# Altium PCB RPlan_LB2.PcbDoc (part 4 of 4)
Units mm, origin at the board's own origin, x right, y up, seen from the top; angles counter-clockwise.
Board outline 38.2 x 43.28 mm, 2 copper layers (Top Layer, Bottom Layer); 36 components, 100 nets, 269 pads, 31 vias.
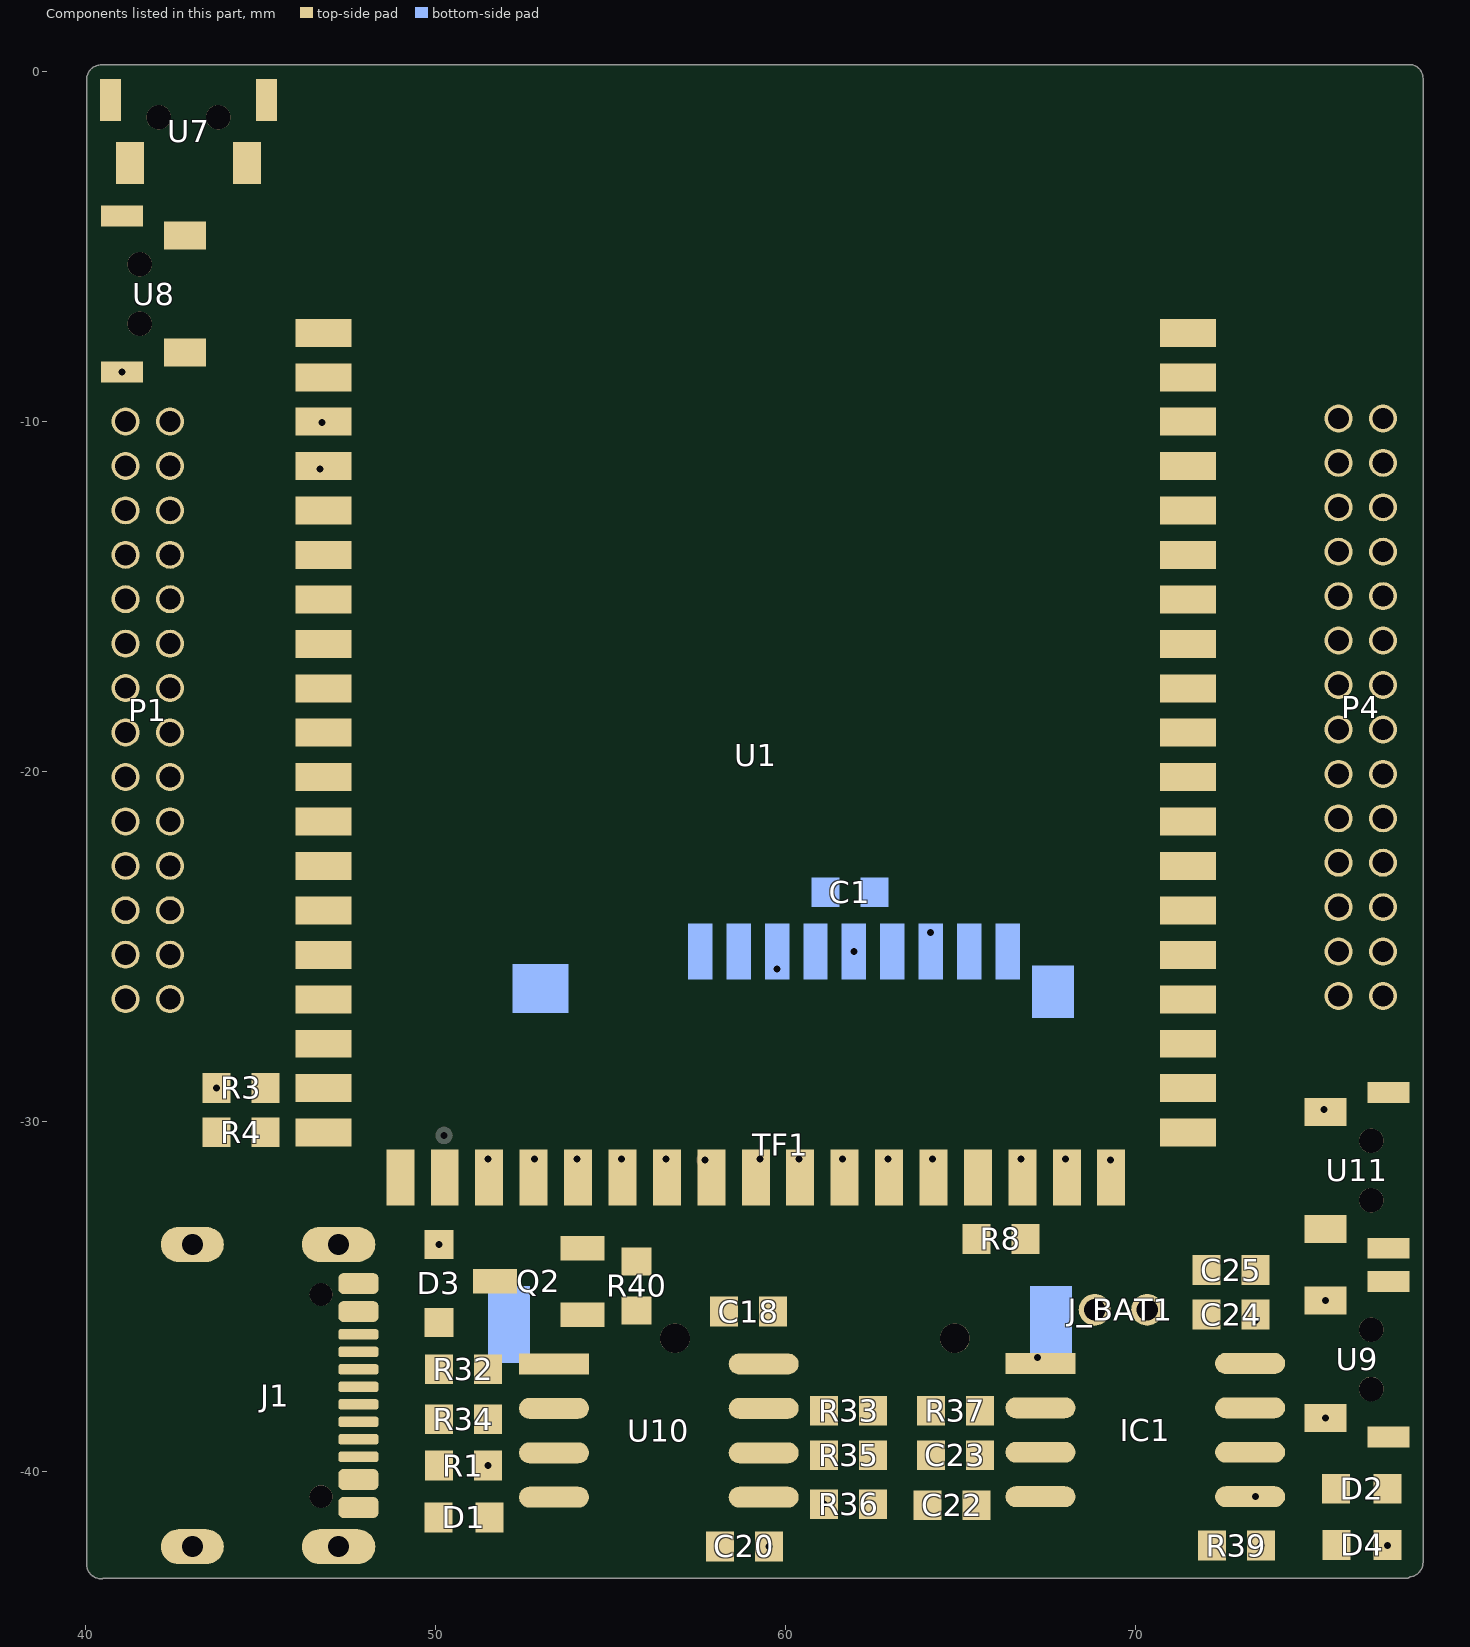
[diagram p4: the components of this part, seen from the top]

## Via types
v1: diameter 0.5, hole 0.3, Top Layer to Bottom Layer, 28 vias
v2: diameter 0.4, hole 0.2, Top Layer to Bottom Layer, 3 vias

## Nets (pads, with @x,y where several pads share a name; then routed paths per layer and width w, separated by ;. In a path a pad name is that pad's centre, name@x,y a point inside that pad or via, vN(x,y) a via of type N, cw(c..) or ccw(c..) an arc to the next point about the centre after c; other vN are vias at no path point) (continued)
copper on no net: (continued)
  Bottom Layer w0.025: 60.612,-15.207 60.84,-15.207 ; 60.612,-15.182 60.84,-15.182 ; 60.612,-15.156 60.84,-15.156 ; 60.612,-15.131 60.84,-15.131 ; 60.612,-15.105 61.196,-15.105 ; 60.815,-21.049 61.196,-21.049 ; 60.815,-21.024 61.145,-21.024 ; 60.815,-20.998 61.145,-20.998 ; 60.815,-20.973 61.145,-20.973 ; 60.815,-20.947 61.145,-20.947 ; 60.815,-20.922 61.145,-20.922 ; 60.815,-20.897 61.145,-20.897 ; 60.815,-20.871 61.145,-20.871 ; 60.815,-20.846 61.145,-20.846 ; 60.815,-20.82 61.196,-20.82 ; 60.815,-20.795 61.196,-20.795 ; 60.815,-20.77 61.196,-20.77 ; 60.815,-19.068 61.196,-19.068 ; 60.815,-19.042 61.145,-19.042 ; 60.815,-19.017 61.145,-19.017 ; 60.815,-18.992 61.145,-18.992 ; 60.815,-18.966 61.196,-18.966 ; 60.815,-18.941 61.196,-18.941 ; 60.815,-18.915 61.196,-18.915 ; 60.815,-18.89 61.196,-18.89 ; 60.815,-18.865 61.196,-18.865 ; 60.815,-18.839 61.196,-18.839 ; 60.815,-18.814 61.196,-18.814 ; 60.815,-18.788 61.196,-18.788 ; 60.815,-18.382 62.186,-18.382 ; 60.815,-18.357 62.186,-18.357 ; 60.815,-18.331 62.186,-18.331 ; 60.815,-18.306 62.186,-18.306 ; 60.815,-18.28 62.186,-18.28 ; 60.815,-18.255 62.186,-18.255 ; 60.815,-18.23 62.186,-18.23 ; 60.815,-18.204 62.186,-18.204 ; 60.815,-18.179 62.186,-18.179 ; 60.815,-18.153 62.186,-18.153 ; 60.815,-18.128 62.948,-18.128 ; 60.815,-18.103 62.948,-18.103 ; 60.815,-15.766 61.145,-15.766 ; 60.815,-15.74 61.145,-15.74 ; 60.815,-15.715 61.145,-15.715 ; 60.815,-15.69 61.145,-15.69 ; 60.815,-15.664 61.145,-15.664 ; 60.815,-15.639 61.145,-15.639 ; 60.815,-15.613 61.145,-15.613 ; 60.815,-15.588 61.145,-15.588 ; 60.815,-15.563 61.145,-15.563 ; 60.815,-15.537 61.145,-15.537 ; 60.815,-15.512 61.145,-15.512 ; 60.815,-15.486 61.196,-15.486 ; 60.815,-15.08 61.196,-15.08 ; 60.815,-15.055 61.196,-15.055 ; 60.815,-15.029 61.145,-15.029 ; 60.815,-15.004 61.145,-15.004 ; 60.815,-14.978 61.145,-14.978 ; 60.815,-14.953 61.196,-14.953 ; 60.815,-14.928 61.196,-14.928 ; 60.815,-14.902 61.196,-14.902 ; 60.815,-14.877 61.196,-14.877 ; 60.815,-14.851 61.196,-14.851 ; 60.815,-14.826 61.196,-14.826 ; 60.815,-14.801 61.196,-14.801 ; 60.815,-14.775 61.831,-14.775 ; 60.815,-14.75 61.831,-14.75 ; 60.815,-14.724 61.831,-14.724 ; 60.815,-14.699 61.831,-14.699 ; 60.815,-14.674 61.831,-14.674 ; 60.815,-14.648 61.831,-14.648 ; 60.815,-14.623 61.831,-14.623 ; 60.815,-14.597 61.831,-14.597 ; 60.815,-14.572 61.831,-14.572 ; 60.815,-14.547 61.831,-14.547 ; 60.815,-14.521 61.831,-14.521 ; 60.815,-14.496 61.831,-14.496 ; 60.815,-14.47 61.831,-14.47 ; 60.815,-14.445 61.831,-14.445 ; 60.815,-12.413 61.145,-12.413 ; 60.815,-12.388 61.145,-12.388 ; 60.815,-12.362 61.145,-12.362 ; 60.815,-12.337 61.145,-12.337 ; 60.815,-12.311 61.145,-12.311 ; 60.815,-12.286 61.196,-12.286 ; 60.815,-12.261 61.196,-12.261 ; 60.815,-12.235 61.196,-12.235 ; 60.815,-12.21 61.145,-12.21 ; 60.815,-12.184 61.145,-12.184 ; 60.815,-12.159 61.145,-12.159 ; 60.815,-12.134 61.145,-12.134 ; 60.815,-12.108 61.145,-12.108 ; 60.815,-12.083 61.145,-12.083 ; 60.815,-12.057 61.145,-12.057 ; 60.815,-12.032 61.145,-12.032 ; 60.815,-12.007 61.145,-12.007 ; 60.815,-11.981 61.196,-11.981 ; 60.815,-11.956 61.196,-11.956 ; 60.815,-11.93 61.196,-11.93 ; 60.815,-11.905 61.145,-11.905 ; 60.815,-11.88 61.145,-11.88 ; 60.815,-11.854 61.145,-11.854 ; 60.815,-11.829 61.196,-11.829 ; 60.815,-10.076 61.196,-10.076 ; 60.815,-10.051 61.196,-10.051 ; 60.815,-10.025 61.196,-10.025 ; 60.815,-10 61.145,-10 ; 60.815,-9.975 61.145,-9.975 ; 60.815,-9.949 61.145,-9.949 ; 60.815,-9.924 61.145,-9.924 ; 60.815,-9.898 61.145,-9.898 ; 60.815,-9.873 61.145,-9.873 ; 60.815,-9.848 61.145,-9.848 ; 60.815,-9.822 61.196,-9.822 ; 60.815,-9.797 61.196,-9.797 ; 61.145,-22.09 62.186,-22.09 ; 61.145,-22.065 62.186,-22.065 ; 61.145,-22.04 62.186,-22.04 ; 61.145,-22.014 62.186,-22.014 ; 61.145,-21.989 62.186,-21.989 ; 61.145,-21.963 62.186,-21.963 ; 61.145,-21.938 62.186,-21.938 ; 61.145,-21.913 62.186,-21.913 ; 61.145,-21.887 62.186,-21.887 ; 61.145,-21.862 62.186,-21.862 ; 61.145,-21.836 62.186,-21.836 ; 61.145,-21.811 62.186,-21.811 ; 61.145,-21.786 62.186,-21.786 ; 61.145,-21.76 62.186,-21.76 ; 61.145,-21.735 62.186,-21.735 ; 61.145,-21.709 62.186,-21.709 ; 61.145,-21.684 62.186,-21.684 ; 61.145,-21.659 62.186,-21.659 ; 61.145,-21.633 62.186,-21.633 ; 61.145,-21.608 62.186,-21.608 ; 61.145,-21.582 62.186,-21.582 ; 61.145,-21.557 62.186,-21.557 ; 61.145,-21.532 62.186,-21.532 ; 61.145,-21.506 62.186,-21.506 ; 61.145,-21.481 62.186,-21.481 ; 61.145,-21.455 62.186,-21.455 ; 61.145,-21.43 62.491,-21.43 ; 61.145,-18.077 61.526,-18.077 ; 61.145,-18.052 61.501,-18.052 ; 61.145,-18.026 61.501,-18.026 ; 61.145,-18.001 61.501,-18.001 ; 61.145,-17.976 61.501,-17.976 ; 61.145,-17.95 61.501,-17.95 ; 61.145,-17.925 61.501,-17.925 ; 61.145,-17.899 61.501,-17.899 ; 61.145,-17.874 61.501,-17.874 ; 61.145,-17.849 61.501,-17.849 ; 61.145,-17.823 61.501,-17.823 ; 61.145,-17.798 61.501,-17.798 ; 61.145,-17.391 61.831,-17.391 ; 61.145,-17.366 61.831,-17.366 ; 61.145,-17.341 61.831,-17.341 ; 61.145,-17.315 61.831,-17.315 ; 61.145,-17.29 61.831,-17.29 ; 61.145,-17.264 61.831,-17.264 ; 61.145,-17.239 61.831,-17.239 ; 61.145,-17.214 61.831,-17.214 ; 61.145,-17.188 61.831,-17.188 ; 61.145,-17.163 61.831,-17.163 ; 61.145,-17.137 61.831,-17.137 ; 61.145,-17.112 61.831,-17.112 ; 61.145,-16.401 62.821,-16.401 ; 61.145,-16.375 62.821,-16.375 ; 61.145,-16.35 62.821,-16.35 ; 61.145,-16.325 62.821,-16.325 ; 61.145,-16.299 62.821,-16.299 ; 61.145,-16.274 62.821,-16.274 ; 61.145,-16.248 62.821,-16.248 ; 61.145,-16.223 62.821,-16.223 ; 61.145,-16.198 62.821,-16.198 ; 61.145,-16.172 62.821,-16.172 ; 61.145,-16.147 62.821,-16.147 ; 61.145,-16.121 62.821,-16.121 ; 61.145,-14.42 61.501,-14.42 ; 61.145,-14.394 61.501,-14.394 ; 61.145,-14.369 61.501,-14.369 ; 61.145,-14.343 61.501,-14.343 ; 61.145,-14.318 61.501,-14.318 ; 61.145,-14.293 61.501,-14.293 ; 61.145,-14.267 61.501,-14.267 ; 61.145,-14.242 61.501,-14.242 ; 61.145,-14.216 61.501,-14.216 ; 61.145,-14.191 61.501,-14.191 ; 61.145,-14.166 61.501,-14.166 ; 61.145,-14.14 61.501,-14.14 ; 61.145,-13.734 61.501,-13.734 ; 61.145,-13.708 61.501,-13.708 ; 61.145,-13.683 61.501,-13.683 ; 61.145,-13.658 61.501,-13.658 ; 61.145,-13.632 61.501,-13.632 ; 61.145,-13.607 61.501,-13.607 ; 61.145,-13.581 61.501,-13.581 ; 61.145,-13.556 61.501,-13.556 ; 61.145,-13.531 61.501,-13.531 ; 61.145,-13.505 61.501,-13.505 ; 61.145,-10.432 62.186,-10.432 ; 61.145,-10.406 62.186,-10.406 ; 61.145,-10.381 62.186,-10.381 ; 61.145,-10.356 62.186,-10.356 ; 61.145,-10.33 62.186,-10.33 ; 61.145,-10.305 62.186,-10.305 ; 61.145,-10.279 62.186,-10.279 ; 61.145,-10.254 62.186,-10.254 ; 61.145,-10.229 62.186,-10.229 ; 61.145,-10.203 62.186,-10.203 ; 61.145,-10.178 62.186,-10.178 ; 61.145,-10.152 62.186,-10.152 ; 61.45,-20.744 62.517,-20.744 ; 61.45,-20.719 62.517,-20.719 ; 61.45,-20.693 62.517,-20.693 ; 61.45,-20.668 62.517,-20.668 ; 61.45,-20.643 62.517,-20.643 ; 61.45,-20.617 62.517,-20.617 ; 61.45,-20.592 62.517,-20.592 ; 61.45,-20.566 62.517,-20.566 ; 61.45,-20.541 62.517,-20.541 ; 61.45,-20.516 62.517,-20.516 ; 61.45,-20.49 62.517,-20.49 ; 61.45,-20.465 62.517,-20.465 ; 61.45,-19.068 61.831,-19.068 ; 61.45,-19.042 61.831,-19.042 ; 61.45,-19.017 61.831,-19.017 ; 61.45,-18.992 61.831,-18.992 ; 61.45,-18.966 61.831,-18.966 ; 61.45,-18.941 61.831,-18.941 ; 61.45,-18.915 61.831,-18.915 ; 61.45,-18.89 61.831,-18.89 ; 61.45,-18.865 61.831,-18.865 ; 61.45,-18.839 61.831,-18.839 ; 61.45,-18.814 61.831,-18.814 ; 61.45,-18.788 61.831,-18.788 ; 61.45,-16.096 63.177,-16.096 ; 61.45,-16.071 63.177,-16.071 ; 61.45,-16.045 63.177,-16.045 ; 61.45,-16.02 63.177,-16.02 ; 61.45,-15.994 63.177,-15.994 ; 61.45,-15.969 63.177,-15.969 ; 61.45,-15.944 63.177,-15.944 ; 61.45,-15.918 63.177,-15.918 ; 61.45,-15.893 63.177,-15.893 ; 61.45,-15.867 63.177,-15.867 ; 61.45,-15.842 63.177,-15.842 ; 61.45,-15.817 63.177,-15.817 ; 61.45,-15.791 63.177,-15.791 ; 61.45,-15.766 61.831,-15.766 ; 61.45,-15.74 61.831,-15.74 ; 61.45,-15.715 61.831,-15.715 ; 61.45,-15.69 61.831,-15.69 ; 61.45,-15.664 61.831,-15.664 ; 61.45,-15.639 61.831,-15.639 ; 61.45,-15.613 61.831,-15.613 ; 61.45,-15.588 61.831,-15.588 ; 61.45,-15.563 61.831,-15.563 ; 61.45,-15.537 61.831,-15.537 ; 61.45,-15.512 61.831,-15.512 ; 61.45,-15.486 61.831,-15.486 ; 61.45,-15.461 64.853,-15.461 ; 61.45,-15.436 64.853,-15.436 ; 61.45,-15.105 63.177,-15.105 ; 61.45,-15.08 62.186,-15.08 ; 61.45,-15.055 62.186,-15.055 ; 61.45,-15.029 62.186,-15.029 ; 61.45,-15.004 62.186,-15.004 ; 61.45,-14.978 62.186,-14.978 ; 61.45,-14.953 62.186,-14.953 ; 61.45,-14.928 62.186,-14.928 ; 61.45,-14.902 62.186,-14.902 ; 61.45,-14.877 62.186,-14.877 ; 61.45,-14.851 62.186,-14.851 ; 61.45,-14.826 62.186,-14.826 ; 61.45,-14.801 62.186,-14.801 ; 61.45,-14.089 61.831,-14.089 ; 61.45,-14.064 61.831,-14.064 ; 61.45,-14.039 61.831,-14.039 ; 61.45,-14.013 61.831,-14.013 ; 61.45,-13.988 61.831,-13.988 ; 61.45,-13.962 61.831,-13.962 ; 61.45,-13.937 61.831,-13.937 ; 61.45,-13.912 61.831,-13.912 ; 61.45,-13.886 61.831,-13.886 ; 61.45,-13.861 61.831,-13.861 ; 61.45,-13.835 61.831,-13.835 ; 61.45,-13.81 61.831,-13.81 ; 61.45,-13.429 61.831,-13.429 ; 61.45,-13.404 61.831,-13.404 ; 61.45,-13.378 61.831,-13.378 ; 61.45,-13.353 61.831,-13.353 ; 61.45,-13.327 61.831,-13.327 ; 61.45,-13.302 61.831,-13.302 ; 61.45,-13.277 61.831,-13.277 ; 61.45,-13.251 61.831,-13.251 ; 61.45,-13.226 61.831,-13.226 ; 61.45,-13.2 61.831,-13.2 ; 61.45,-13.175 61.831,-13.175 ; 61.45,-13.15 61.831,-13.15 ; 61.45,-13.124 61.831,-13.124 ; 61.45,-13.099 61.831,-13.099 ; 61.45,-13.073 61.831,-13.073 ; 61.45,-13.048 61.831,-13.048 ; 61.45,-13.023 61.831,-13.023 ; 61.45,-12.997 61.831,-12.997 ; 61.45,-12.972 61.831,-12.972 ; 61.45,-12.946 61.831,-12.946 ; 61.45,-12.921 61.831,-12.921 ; 61.45,-12.896 61.831,-12.896 ; 61.45,-12.87 61.831,-12.87 ; 61.45,-12.845 61.831,-12.845 ; 61.45,-12.819 61.831,-12.819 ; 61.45,-12.108 61.831,-12.108 ; 61.45,-12.083 61.831,-12.083 ; 61.45,-12.057 61.831,-12.057 ; 61.45,-12.032 61.831,-12.032 ; 61.45,-12.007 61.831,-12.007 ; 61.45,-11.981 61.831,-11.981 ; 61.45,-11.956 61.831,-11.956 ; 61.45,-11.93 61.831,-11.93 ; 61.45,-11.905 61.831,-11.905 ; 61.45,-11.88 61.831,-11.88 ; 61.45,-11.854 61.831,-11.854 ; 61.45,-11.829 61.831,-11.829 ; 61.45,-11.803 62.517,-11.803 ; 61.45,-11.778 62.517,-11.778 ; 61.45,-10.076 62.517,-10.076 ; 61.45,-10.051 62.517,-10.051 ; 61.45,-10.025 62.517,-10.025 ; 61.45,-10 62.517,-10 ; 61.45,-9.975 62.517,-9.975 ; 61.45,-9.949 62.517,-9.949 ; 61.45,-9.924 62.517,-9.924 ; 61.45,-9.898 62.517,-9.898 ; 61.45,-9.873 62.517,-9.873 ; 61.45,-9.848 62.517,-9.848 ; 61.45,-9.822 62.517,-9.822 ; 61.45,-9.797 62.517,-9.797 ; 61.501,-12.134 61.831,-12.134 ; 61.805,-17.087 62.821,-17.087 ; 61.805,-17.061 62.821,-17.061 ; 61.805,-17.036 62.821,-17.036 ; 61.805,-17.01 62.821,-17.01 ; 61.805,-16.985 62.821,-16.985 ; 61.805,-16.96 62.821,-16.96 ; 61.805,-16.934 62.821,-16.934 ; 61.805,-16.909 62.821,-16.909 ; 61.805,-16.883 62.821,-16.883 ; 61.805,-16.858 62.821,-16.858 ; 61.805,-16.833 62.821,-16.833 ; 61.805,-16.807 62.821,-16.807 ; 61.805,-16.782 65.158,-16.782 ; 61.805,-15.41 63.177,-15.41 ; 61.805,-15.385 63.177,-15.385 ; 61.805,-15.359 63.177,-15.359 ; 61.805,-15.334 63.177,-15.334 ; 61.805,-15.309 63.177,-15.309 ; 61.805,-15.283 63.177,-15.283 ; 61.805,-15.258 63.177,-15.258 ; 61.805,-15.232 63.177,-15.232 ; 61.805,-15.207 63.177,-15.207 ; 61.805,-15.182 63.177,-15.182 ; 61.805,-15.156 63.177,-15.156 ; 61.805,-15.131 63.177,-15.131 ; 61.805,-13.734 62.186,-13.734 ; 61.805,-13.708 62.186,-13.708 ; 61.805,-13.683 62.186,-13.683 ; 61.805,-13.658 62.186,-13.658 ; 61.805,-13.632 62.186,-13.632 ; 61.805,-13.607 62.186,-13.607 ; 61.805,-13.581 62.186,-13.581 ; 61.805,-13.556 62.186,-13.556 ; 61.805,-13.531 62.186,-13.531 ; 61.805,-13.505 62.186,-13.505 ; 61.805,-11.753 62.186,-11.753 ; 61.805,-11.727 62.186,-11.727 ; 61.805,-11.702 62.186,-11.702 ; 61.805,-11.676 62.186,-11.676 ; 61.805,-11.651 62.186,-11.651 ; 61.805,-11.626 62.186,-11.626 ; 61.805,-11.6 62.186,-11.6 ; 61.805,-11.575 62.186,-11.575 ; 61.805,-11.549 62.186,-11.549 ; 61.805,-11.524 62.186,-11.524 ; 61.805,-11.499 62.186,-11.499 ; 61.805,-11.473 62.186,-11.473 ; 61.805,-11.448 62.186,-11.448 ; 61.805,-11.422 62.186,-11.422 ; 61.805,-11.397 62.186,-11.397 ; 61.805,-11.372 62.186,-11.372 ; 61.805,-11.346 62.186,-11.346 ; 61.805,-11.321 62.186,-11.321 ; 61.805,-11.295 62.186,-11.295 ; 61.805,-11.27 62.186,-11.27 ; 61.805,-11.245 62.186,-11.245 ; 61.805,-11.219 62.186,-11.219 ; 61.805,-11.194 62.186,-11.194 ; 61.805,-11.168 62.186,-11.168 ; 61.805,-11.143 62.186,-11.143 ; 62.136,-21.405 62.517,-21.405 ; 62.136,-21.379 62.517,-21.379 ; 62.136,-21.354 62.517,-21.354 ; 62.136,-21.328 62.517,-21.328 ; 62.136,-21.303 62.517,-21.303 ; 62.136,-21.278 62.517,-21.278 ; 62.136,-21.252 62.517,-21.252 ; 62.136,-21.227 62.517,-21.227 ; 62.136,-21.201 62.517,-21.201 ; 62.136,-21.176 62.517,-21.176 ; 62.136,-21.151 62.517,-21.151 ; 62.136,-21.125 62.517,-21.125 ; 62.136,-21.1 62.491,-21.1 ; 62.136,-21.074 62.491,-21.074 ; 62.136,-20.414 62.517,-20.414 ; 62.136,-20.389 62.517,-20.389 ; 62.136,-20.363 62.517,-20.363 ; 62.136,-20.338 62.517,-20.338 ; 62.136,-20.312 62.517,-20.312 ; 62.136,-20.287 62.517,-20.287 ; 62.136,-20.262 62.517,-20.262 ; 62.136,-20.236 62.517,-20.236 ; 62.136,-20.211 62.517,-20.211 ; 62.136,-20.185 62.517,-20.185 ; 62.136,-20.16 62.517,-20.16 ; 62.136,-20.135 62.517,-20.135 ; 62.136,-20.109 62.491,-20.109 ; 62.136,-20.084 62.491,-20.084 ; 62.136,-19.754 62.517,-19.754 ; 62.136,-19.728 62.517,-19.728 ; 62.136,-19.703 62.517,-19.703 ; 62.136,-19.677 62.517,-19.677 ; 62.136,-19.652 62.517,-19.652 ; 62.136,-19.627 62.517,-19.627 ; 62.136,-19.601 62.517,-19.601 ; 62.136,-19.576 62.517,-19.576 ; 62.136,-19.55 62.517,-19.55 ; 62.136,-19.525 62.517,-19.525 ; 62.136,-19.5 62.517,-19.5 ; 62.136,-19.474 62.517,-19.474 ; 62.136,-19.068 62.821,-19.068 ; 62.136,-19.042 62.821,-19.042 ; 62.136,-19.017 62.821,-19.017 ; 62.136,-18.992 62.821,-18.992 ; 62.136,-18.966 62.821,-18.966 ; 62.136,-18.941 62.821,-18.941 ; 62.136,-18.915 62.821,-18.915 ; 62.136,-18.89 62.821,-18.89 ; 62.136,-18.865 62.821,-18.865 ; 62.136,-18.839 62.821,-18.839 ; 62.136,-18.814 62.821,-18.814 ; 62.136,-18.788 62.821,-18.788 ; 62.136,-18.763 65.158,-18.763 ; 62.136,-18.077 63.177,-18.077 ; 62.136,-18.052 63.177,-18.052 ; 62.136,-18.026 63.177,-18.026 ; 62.136,-18.001 63.177,-18.001 ; 62.136,-17.976 63.177,-17.976 ; 62.136,-17.95 63.177,-17.95 ; 62.136,-17.925 63.177,-17.925 ; 62.136,-17.899 63.177,-17.899 ; 62.136,-17.874 63.177,-17.874 ; 62.136,-17.849 63.177,-17.849 ; 62.136,-17.823 63.177,-17.823 ; 62.136,-17.798 63.177,-17.798 ; 62.136,-17.772 63.177,-17.772 ; 62.136,-16.756 62.517,-16.756 ; 62.136,-16.731 62.517,-16.731 ; 62.136,-16.706 62.517,-16.706 ; 62.136,-16.68 62.517,-16.68 ; 62.136,-16.655 62.517,-16.655 ; 62.136,-16.629 62.517,-16.629 ; 62.136,-16.604 62.517,-16.604 ; 62.136,-16.579 62.517,-16.579 ; 62.136,-16.553 62.517,-16.553 ; 62.136,-16.528 62.517,-16.528 ; 62.136,-16.502 62.517,-16.502 ; 62.136,-16.477 62.517,-16.477 ; 62.136,-14.115 63.507,-14.115 ; 62.136,-14.089 63.177,-14.089 ; 62.136,-14.064 63.177,-14.064 ; 62.136,-14.039 63.177,-14.039 ; 62.136,-14.013 63.177,-14.013 ; 62.136,-13.988 63.177,-13.988 ; 62.136,-13.962 63.177,-13.962 ; 62.136,-13.937 63.177,-13.937 ; 62.136,-13.912 63.177,-13.912 ; 62.136,-13.886 63.177,-13.886 ; 62.136,-13.861 63.177,-13.861 ; 62.136,-13.835 63.177,-13.835 ; 62.136,-13.81 63.177,-13.81 ; 62.136,-13.429 63.177,-13.429 ; 62.136,-13.404 63.177,-13.404 ; 62.136,-13.378 63.177,-13.378 ; 62.136,-13.353 63.177,-13.353 ; 62.136,-13.327 63.177,-13.327 ; 62.136,-13.302 63.177,-13.302 ; 62.136,-13.277 63.177,-13.277 ; 62.136,-13.251 63.177,-13.251 ; 62.136,-13.226 63.177,-13.226 ; 62.136,-13.2 63.177,-13.2 ; 62.136,-13.175 63.177,-13.175 ; 62.136,-13.15 63.177,-13.15 ; 62.136,-13.124 63.177,-13.124 ; 62.136,-12.794 62.517,-12.794 ; 62.136,-12.769 62.517,-12.769 ; 62.136,-12.743 62.517,-12.743 ; 62.136,-12.718 62.517,-12.718 ; 62.136,-12.692 62.517,-12.692 ; 62.136,-12.667 62.517,-12.667 ; 62.136,-12.642 62.517,-12.642 ; 62.136,-12.616 62.517,-12.616 ; 62.136,-12.591 62.517,-12.591 ; 62.136,-12.565 62.517,-12.565 ; 62.136,-12.54 62.517,-12.54 ; 62.136,-12.515 62.517,-12.515 ; 62.136,-12.489 62.517,-12.489 ; 62.136,-12.464 62.517,-12.464 ; 62.136,-12.438 62.491,-12.438 ; 62.136,-12.134 62.491,-12.134 ; 62.136,-12.108 62.517,-12.108 ; 62.136,-12.083 62.517,-12.083 ; 62.136,-12.057 62.517,-12.057 ; 62.136,-12.032 62.517,-12.032 ; 62.136,-12.007 62.517,-12.007 ; 62.136,-11.981 62.517,-11.981 ; 62.136,-11.956 62.517,-11.956 ; 62.136,-11.93 62.517,-11.93 ; 62.136,-11.905 62.517,-11.905 ; 62.136,-11.88 62.517,-11.88 ; 62.136,-11.854 62.517,-11.854 ; 62.136,-11.829 62.517,-11.829 ; 62.136,-11.118 62.517,-11.118 ; 62.136,-11.092 62.517,-11.092 ; 62.136,-11.067 62.517,-11.067 ; 62.136,-11.041 62.517,-11.041 ; 62.136,-11.016 62.517,-11.016 ; 62.136,-10.991 62.517,-10.991 ; 62.136,-10.965 62.517,-10.965 ; 62.136,-10.94 62.517,-10.94 ; 62.136,-10.914 62.517,-10.914 ; 62.136,-10.889 62.517,-10.889 ; 62.136,-10.864 62.517,-10.864 ; 62.136,-10.838 62.517,-10.838 ; 62.136,-10.813 62.517,-10.813 ; 62.136,-10.787 62.517,-10.787 ; 62.491,-19.423 64.498,-19.423 ; 62.491,-19.398 64.498,-19.398 ; 62.491,-19.373 64.498,-19.373 ; 62.491,-19.347 64.498,-19.347 ; 62.491,-19.322 64.498,-19.322 ; 62.491,-19.296 64.498,-19.296 ; 62.491,-19.271 64.498,-19.271 ; 62.491,-19.246 64.498,-19.246 ; 62.491,-19.22 64.498,-19.22 ; 62.491,-19.195 64.498,-19.195 ; 62.491,-19.169 64.498,-19.169 ; 62.491,-19.144 64.498,-19.144 ; 62.491,-14.775 63.507,-14.775 ; 62.491,-14.75 63.507,-14.75 ; 62.491,-14.724 63.507,-14.724 ; 62.491,-14.699 63.507,-14.699 ; 62.491,-14.674 63.507,-14.674 ; 62.491,-14.648 63.507,-14.648 ; 62.491,-14.623 63.507,-14.623 ; 62.491,-14.597 63.507,-14.597 ; 62.491,-14.572 63.507,-14.572 ; 62.491,-14.547 63.507,-14.547 ; 62.491,-14.521 63.507,-14.521 ; 62.491,-14.496 63.507,-14.496 ; 62.491,-14.47 63.507,-14.47 ; 62.491,-14.445 63.507,-14.445 ; 62.491,-14.42 62.821,-14.42 ; 62.491,-14.394 62.821,-14.394 ; 62.491,-14.369 62.821,-14.369 ; 62.491,-14.343 62.821,-14.343 ; 62.491,-14.318 62.821,-14.318 ; 62.491,-14.293 62.821,-14.293 ; 62.491,-14.267 62.821,-14.267 ; 62.491,-14.242 62.821,-14.242 ; 62.491,-14.216 62.821,-14.216 ; 62.491,-14.191 62.821,-14.191 ; 62.491,-14.166 62.821,-14.166 ; 62.491,-14.14 62.821,-14.14 ; 62.491,-13.734 62.821,-13.734 ; 62.491,-13.708 62.821,-13.708 ; 62.491,-13.683 62.821,-13.683 ; 62.491,-13.658 62.821,-13.658 ; 62.491,-13.632 62.821,-13.632 ; 62.491,-13.607 62.821,-13.607 ; 62.491,-13.581 62.821,-13.581 ; 62.491,-13.556 62.821,-13.556 ; 62.491,-13.531 62.821,-13.531 ; 62.491,-13.505 62.821,-13.505 ; 62.796,-22.09 65.158,-22.09 ; 62.796,-22.065 65.158,-22.065 ; 62.796,-22.04 65.158,-22.04 ; 62.796,-22.014 65.158,-22.014 ; 62.796,-21.989 65.158,-21.989 ; 62.796,-21.963 65.158,-21.963 ; 62.796,-21.938 65.158,-21.938 ; 62.796,-21.913 65.158,-21.913 ; 62.796,-21.887 65.158,-21.887 ; 62.796,-21.862 65.158,-21.862 ; 62.796,-21.836 65.158,-21.836 ; 62.796,-21.811 65.158,-21.811 ; 62.796,-21.786 65.158,-21.786 ; 62.796,-21.76 65.158,-21.76 ; 62.796,-21.735 63.177,-21.735 ; 62.796,-21.709 63.177,-21.709 ; 62.796,-21.684 63.177,-21.684 ; 62.796,-21.659 63.177,-21.659 ; 62.796,-21.633 63.177,-21.633 ; 62.796,-21.608 63.177,-21.608 ; 62.796,-21.582 63.177,-21.582 ; 62.796,-21.557 63.177,-21.557 ; 62.796,-21.532 63.177,-21.532 ; 62.796,-21.506 63.177,-21.506 ; 62.796,-21.481 63.177,-21.481 ; 62.796,-21.455 63.177,-21.455 ; 62.796,-21.43 63.177,-21.43 ; 62.796,-21.405 63.177,-21.405 ; 62.796,-21.379 63.177,-21.379 ; 62.796,-21.354 63.177,-21.354 ; 62.796,-21.328 63.177,-21.328 ; 62.796,-21.303 63.177,-21.303 ; 62.796,-21.278 63.177,-21.278 ; 62.796,-21.252 63.177,-21.252 ; 62.796,-21.227 63.177,-21.227 ; 62.796,-21.201 63.177,-21.201 ; 62.796,-21.176 63.177,-21.176 ; 62.796,-21.151 63.177,-21.151 ; 62.796,-21.125 63.177,-21.125 ; 62.796,-21.1 63.177,-21.1 ; 62.796,-21.074 